# Altium PCB Fuel_Dispenser_Controller_V1.0.0.PcbDoc (part 2 of 4)
Units mm, origin at the board's own origin, x right, y up, seen from the top; angles counter-clockwise.
Board outline 100 x 60 mm, 6 copper layers (L1_SIG, L2_GND, L3_SIG, L4_PWR, L5_GND, L6_SIG), stack 1.538 mm thick; 235 components, 145 nets, 779 pads, 828 vias.
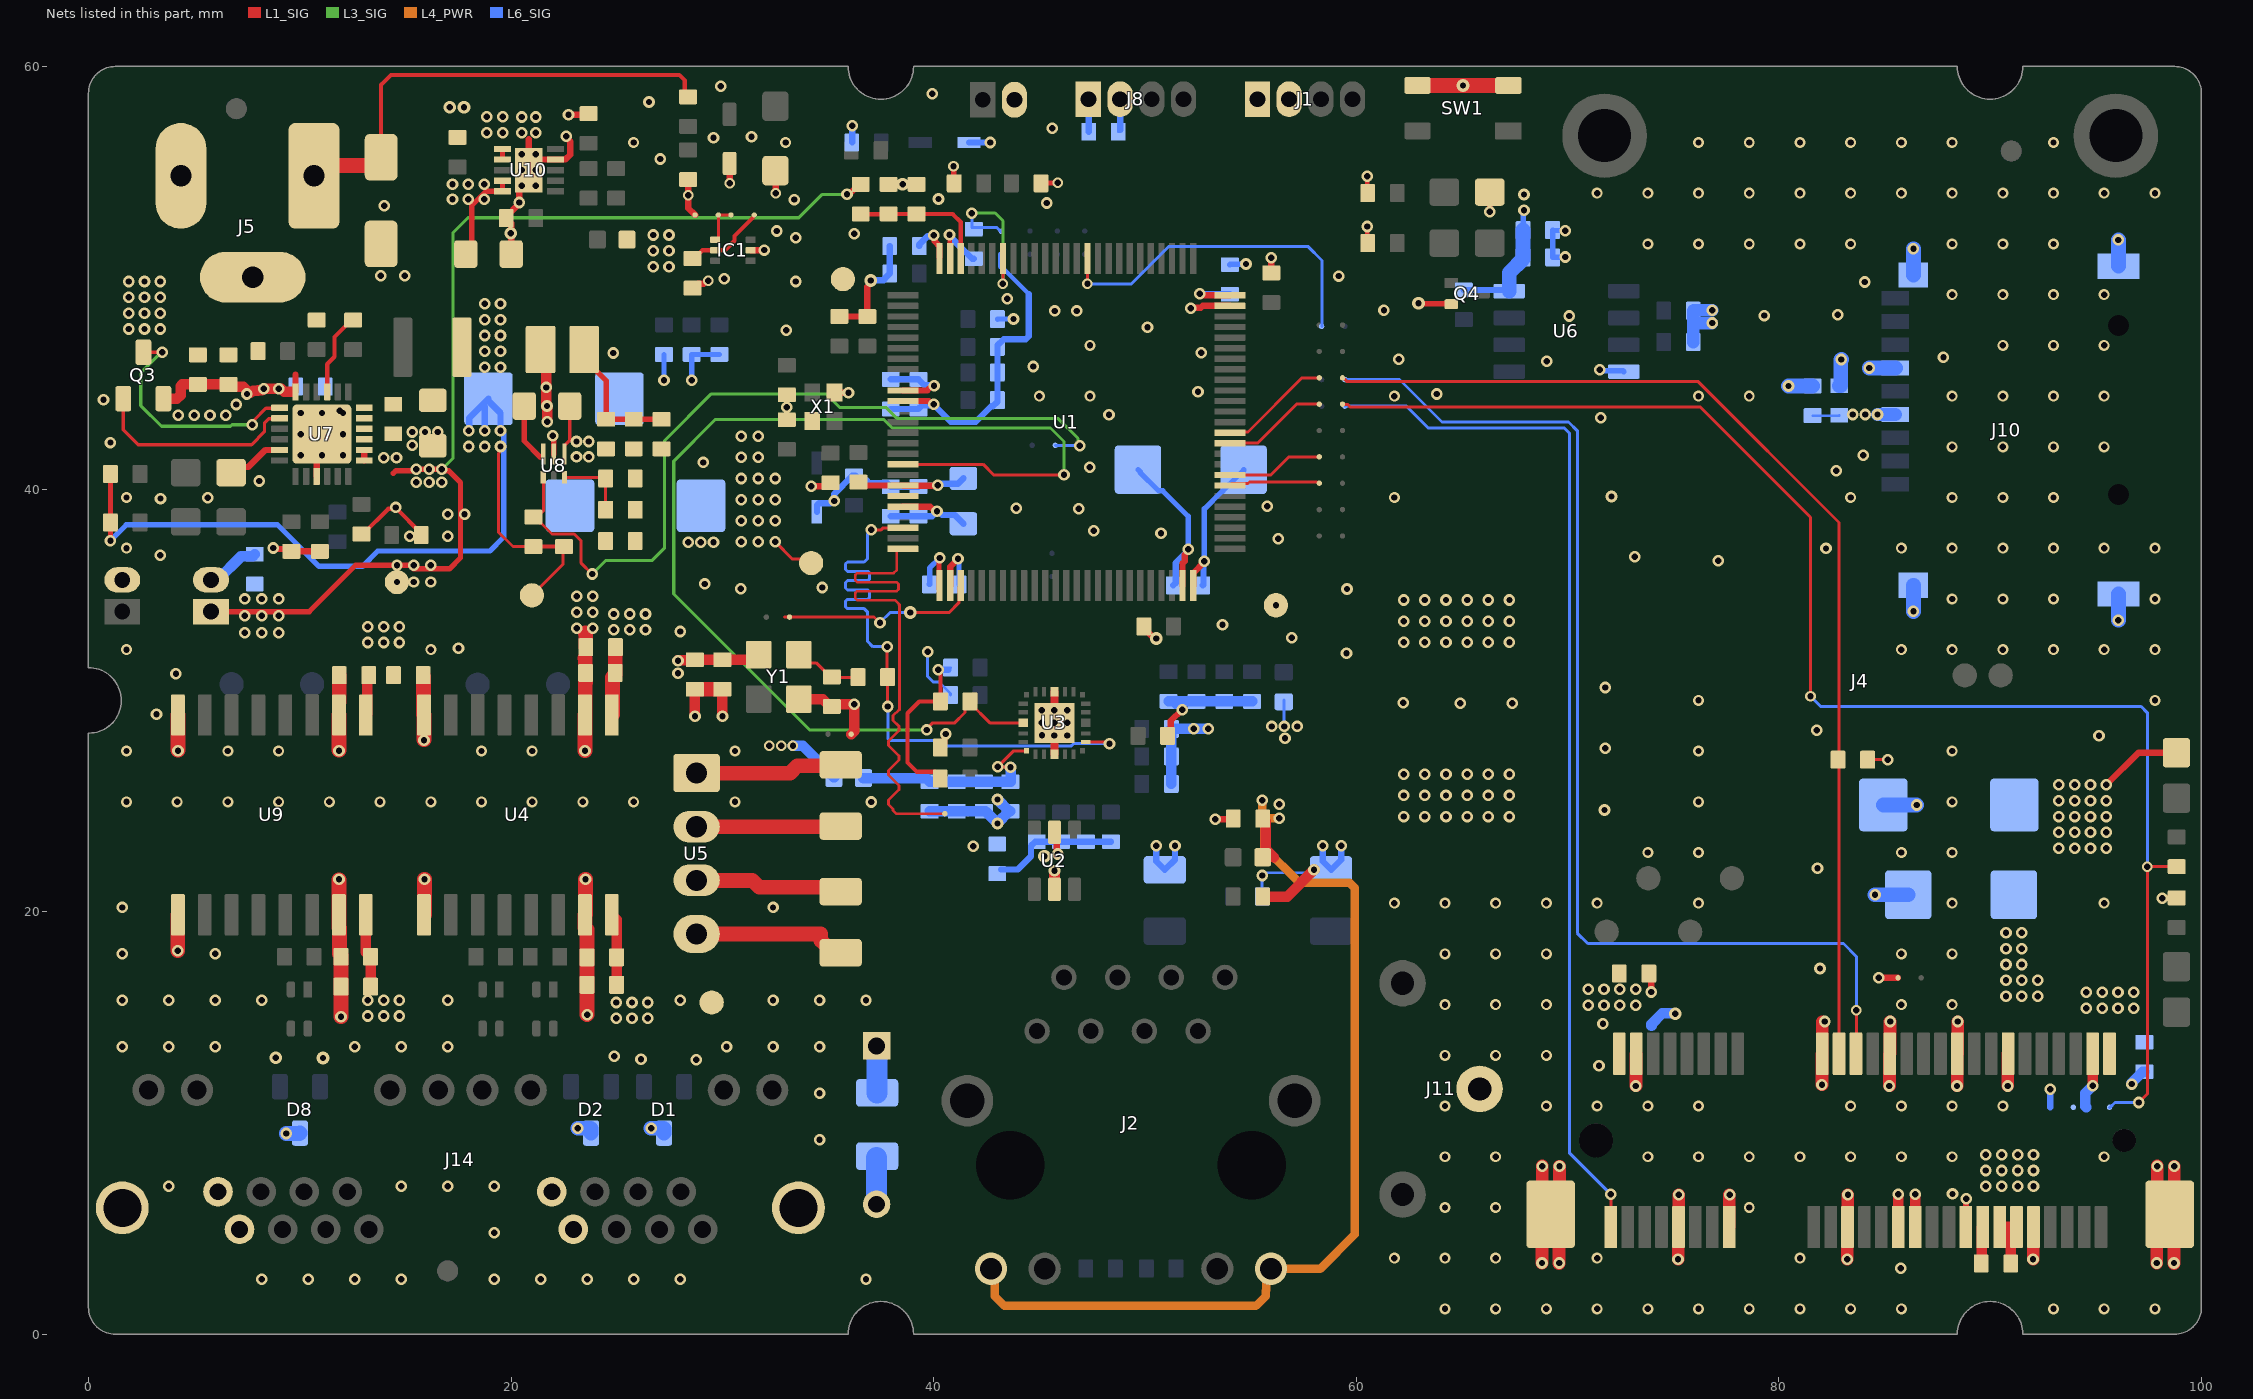
[diagram p6: the nets of this part, all layers, seen from the top]

## Part data
C1 C2: "CAP: CER 5.6PF 50V C0G 0603", LCSC Part #=C318670, ComponentLink1Description=DS, ComponentLink1URL=https://www.lcsc.com/datasheet/C1663.pdf, Unit Price=0.0037
C3 C6 C7 C8 C9 C10 C13 C14 C15 C16 C18 C23 C25 C27 C32 C40 C52 C53 C55 C57 C58 C59 C61 C62 C63 C65 C79: "CAP: CER 100NF 100V X7R 0603", LCSC Part #=C15725, ComponentLink1Description=DS, ComponentLink1URL=https://www.lcsc.com/datasheet/C15725.pdf, POC Price=0.006, Unit Price=0.0036
C4 C20 C51 C60 C76: "CAP: CER 1UF 25V X7R 0603", LCSC Part #=C29936, ComponentLink1Description=DS, ComponentLink1URL=https://www.lcsc.com/datasheet/C29936.pdf, Unit Price=0.0027
C5 C46: "CAP: CER 4.7UF 25V X5R 0603", LCSC Part #=C69335, ComponentLink1Description=DS, ComponentLink1URL=https://www.lcsc.com/datasheet/C69335.pdf, POC Price=0.0167, Unit Price=0.009
C11: "CAP: CER 47UF 10V X5R 0805", LCSC Part #=C5596752, ComponentLink1Description=DS, ComponentLink1URL=https://www.lcsc.com/datasheet/C5596752.pdf, POC Price=0.1234, Unit Price=0.0651
C12 C31: "CAP: TANT 100uF ±10% 10V CASE-C-6032", LCSC Part #=C8649, ComponentLink1Description=DS, ComponentLink1URL=http://datasheets.avx.com/TAJ.pdf, POC Price=0.2633, Unit Price=0.1376
C17 C66 C74: "CAP: CER 10NF 100V X7R 0603", LCSC Part #=C307347, Unit Price=0.0046
C19: "CAP: CER 470PF 50V X7R 0603", LCSC Part #=C22396, ComponentLink1Description=DS, ComponentLink1URL=https://www.lcsc.com/datasheet/C22396.pdf, POC Price=0.0047, Unit Price=0.002
C21 C22 C24 C26 C28 C39 C44 C45 C48 C49 C50 C54 C56 C64 C70 C72: "CAP: CER 10UF 25V X5R 0603", LCSC Part #=C96446, ComponentLink1Description=DS, ComponentLink1URL=https://www.lcsc.com/datasheet/C96446.pdf, Unit Price=0.01
C29: "CAP: CER 4.7UF 50V X7R 1206", LCSC Part #=C51205, Unit Price=0.0177
C30: "CAP: CER 10UF 35V X5R 1206", LCSC Part #=C13585, Unit Price=0.0177
C33: "CAP: CER 33PF 50V C0G 0603", LCSC Part #=C1663, ComponentLink1Description=DS, ComponentLink1URL=https://www.lcsc.com/datasheet/C1663.pdf, Unit Price=0.0031
C34: "CAP: CER 10PF 50V C0G 0603", LCSC Part #=C1634, ComponentLink1Description=DS, ComponentLink1URL=https://www.lcsc.com/datasheet/C1634.pdf, Unit Price=0.0028
C35 C41 C42: "CAP: TANT 220uF ±10% 10V CASE-D-7343", LCSC Part #=C8024, POC Price=0.3941, Unit Price=0.2118
C36 C75: "CAP: CER 1UF 50V X5R 0603", LCSC Part #=C15849, Unit Price=0.0026
C37: "CAP: CER 100NF 50V X7R 0603", LCSC Part #=C1591, Unit Price=0.0013
C38: "CAP: CER 47NF 50V X7R 0603", LCSC Part #=C1622, ComponentLink1Description=DS, ComponentLink1URL=https://www.lcsc.com/datasheet/C1588.pdf, POC Price=0.0051, Unit Price=0.0031
C43 C71: "CAP: CER 22UF 25V X5R 0805", LCSC Part #=C45783, Unit Price=0.0136
C47: "CAP: CER 10UF 25V X5R 0805", LCSC Part #=C15850, Unit Price=0.0059
C67: "CAP: CER 15PF 50V C0G 0603", LCSC Part #=C1644, ComponentLink1Description=DS, ComponentLink1URL=https://www.lcsc.com/datasheet/C1644.pdf, POC Price=0.0051, Unit Price=0.0032
C68 C69: "CAP: CER 2.2UF 16V X5R 0603", LCSC Part #=C23630, ComponentLink1Description=DS, ComponentLink1URL=https://www.lcsc.com/datasheet/C23630.pdf, POC Price=0.0062, Unit Price=0.0033
C73: "CAP: CER 120PF 50V C0G 0603", LCSC Part #=C444883, POC Price=0.011, Unit Price=0.0048
C77 C78: "CAP: SAFETY CER 1NF 500V X7R 1206", LCSC Part #=C35216, ComponentLink1Description=DS, ComponentLink1URL=https://www.lcsc.com/datasheet/C35216.pdf, POC Price=0.04, Unit Price=0.0223
CY1: "CAP SAFETY: 2.2nF ±20% 250V TH P7.5mm", LCSC Part #=C240878, ComponentLink1Description=DS, ComponentLink1URL=https://www.lcsc.com/datasheet/C240878.pdf, POC Price=0.0416, Unit Price=0.0201
D1 D2 D8: "DIODE TVS: 7V WM 11VC Voltage - Breakdown (Min) 6V / SOT-23", LCSC Part #=C7436899, ComponentLink1Description=DS, ComponentLink1URL=https://www.lcsc.com/datasheet/C7436899.pdf, Unit Price=0.0183
D3 D6 D11: "LED: RED 20mA 54mcd Colorless Transparent Lens -55℃~+85℃ 631nm Red 130° 75mW 2V 0805 LED", LCSC Part #=C94868, POC Price=0.0229, Unit Price=0.0107
D4 D5 D9: "LED: GREEN 20mA 35mcd Water Clear -55℃~+85℃ 571nm Yellow Green 130° 75mW 2V 0805 LED Indication - Discrete ROHS", LCSC Part #=C98221, ComponentLink1Description=DS, ComponentLink1URL=https://www.lcsc.com/datasheet/C98221.pdf, POC Price=0.0216, Unit Price=0.0095
D7: "DIODE ESD: 16.4A@10/1000us 400W@10/1000us 24.4V 18.5V Bidirectional 15V DO-214AC(SMA) ESD and Surge Protection (TVS/ESD) ROHS", LCSC Part #=C110044, ComponentLink1Description=DS, ComponentLink1URL=https://www.lcsc.com/datasheet/C110044.pdf, POC Price=0.0378, Unit Price=0.0178
D10: "DIODE TVS: 3.3V 19A 15V 4V BidirectionalESD and Surge Protection (TVS/ESD) ROHS  SOD-323", LCSC Part #=C78439, ComponentLink1Description=DS, ComponentLink1URL=https://www.lcsc.com/datasheet/C78439.pdf, POC Price=0.0344, Unit Price=0.0172
D12 D13: "DIODE ESD: 5A 75W@8/20us 15V 6V Bidirectional 5V SOD-523 ESD and Surge Protection (TVS/ESD)", LCSC Part #=C314264, ComponentLink1Description=DS, ComponentLink1URL=https://www.lcsc.com/datasheet/C314264.pdf, POC Price=0.0232, Unit Price=0.0106
FB1 FB2 FB3 FB4: "Ferrite Beads: 150mΩ 600Ω@100MHz 1.3A muRata", LCSC Part #=C85833, ComponentLink1Description=DS, ComponentLink1URL=https://www.lcsc.com/datasheet/C85833.pdf, POC Price=0.0113, Unit Price=0.0059
IC1: "SEN: TEMP TI TMP102AIDRLR Temperature sensor  / SOT-563", LCSC Part #=C99269, ComponentLink1Description=DS, ComponentLink1URL=https://www.lcsc.com/datasheet/C99269.pdf, POC Price=0.2045, Unit Price=0.1007
J1 J8: library part X1502WV-04K-N0SN, "JST: Vertical, P1.5mm TH, 4P, Wire To Board Connector, 1A (Housing: X1502H-04-N0 - C697055)", LCSC Part #=C561527, ComponentLink1Description=DS, ComponentLink1URL=https://www.lcsc.com/datasheet/C561527.pdf, POC Price=0.0307, Unit Price=0.0141
J2: "RJ45: ETH RJ45 Jack 1 With LED Through Hole Ethernet Connectors / Modular Connectors (RJ45 RJ11) ROHS", LCSC Part #=C12074, ComponentLink1Description=DS, ComponentLink1URL=https://datasheet.lcsc.com/szlcsc/Zhongshan-HanRun-Elec-HR911105A_C12074.pdf, POC Price=1.4848, Unit Price=0.8599
J4: "MODULE Connector: Mini PCIe 52-pin Connector SMD,P=0.8mm, Surface Mount,Right Angle PCI / PCIe Connector ROHS", LCSC Part #=C428486, ComponentLink1Description=DS, ComponentLink1URL=https://www.molex.com/content/dam/molex/molex-dot-com/products/automated/en-us/salesdrawingpdf/679/67910/679105700_sd.pdf?inline, POC Price=0.7298, Unit Price=0.3649
J5: "CONN: Right Angle DC Power Jack -25℃~+85℃ 2mm 6.4mm 1A 12V Through Hole DC Power Connectors ROHS", LCSC Part #=C16214
J6 J9 J12: library part X1502WV-02K-N0SN, "JST: Vertical, P1.5mm TH, 2P, Wire To Board Connector, 1A (Housing: X1502H-02-N0 - C697053)", LCSC Part #=C561525, ComponentLink1Description=DS, ComponentLink1URL=https://www.lcsc.com/datasheet/C561525.pdf, POC Price=0.0156, Unit Price=0.0071
J10: "Micro-sd card: 1.85mm Connector and Ejector MicroSD Card (TF Card) Push-Push SMD SD Card / Memory Card Connector ROHS", LCSC Part #=C91145, ComponentLink1Description=DS, ComponentLink1URL=https://www.lcsc.com/datasheet/C91145.pdf, POC Price=0.1724, Unit Price=0.0922
J11: "Battery Con: CR2032, RTC, Connector, Vertical", LCSC Part #=C964752, ComponentLink1Description=DS, ComponentLink1URL=https://www.lcsc.com/datasheet/C964752.pdf, POC Price=0.1585, Unit Price=0.0766
J14: library part KH-56-8P8C-1X2-D_1, "RJ45: RJ45 Jack 2 Shielded Right Angle With LED 0℃~+70℃ Through Hole,Right Angle Ethernet Connectors / Modular Connectors (RJ45 RJ11) ROHS", LCSC Part #=C2828088, ComponentLink1Description=DS, ComponentLink1URL=https://www.lcsc.com/datasheet/C2828088.pdf, Unit Price=0.3505
L1 L2 L5: "Filter CM: 90Ω@100MHz 410mΩ 2 0805 Common Mode Filters ROHS", LCSC Part #=C161093, ComponentLink1Description=DS, ComponentLink1URL=https://www.lcsc.com/datasheet/C161093.pdf, POC Price=0.1002, Unit Price=0.0475
L3: "INDUCTOR: 1uH 3.1A 45mΩ 1210 FIXED IND", LCSC Part #=C237284, ComponentLink1Description=DS, ComponentLink1URL=https://www.lcsc.com/datasheet/C237284.pdf, POC Price=0.1051, Unit Price=0.0566
L4: "INDUCTOR: FIXED IND 0.47uH 6.5A 13mΩ SMD,2x2.5mm", LCSC Part #=C5832368, ComponentLink1Description=DS, ComponentLink1URL=https://www.lcsc.com/datasheet/C167222.pdf, POC Price=0.0806, Unit Price=0.0393
Q3: "MOSFET: N-CH 30V 4A 1.25W 35mΩ@10V 3V@250uA 1 N-Channel SOT-23 MOSFETs ROHS", LCSC Part #=C347489, Unit Price=0.0155
Q4: "Transistor digital: 80@10mA,5V 150mW 100mA 50V SOT-416FL Digital Transistors ROHS", LCSC Part #=C96459, Unit Price=0.0094
R1 R2 R3 R4 R10 R12 R13 R14 R17 R20 R21 R22 R23 R26 R29 R30 R31 R34 R41 R42 R43 R45 R46 R50 R57: "RES: 10K OHM 1% 100mW 0603 75V", LCSC Part #=C25804, ComponentLink1Description=DS, ComponentLink1URL=https://www.lcsc.com/datasheet/C25804.pdf, Unit Price=0.0005
R5: "RES: 2.2K OHM 1% 100mW 0603 75V", LCSC Part #=C4190, ComponentLink1Description=DS, ComponentLink1URL=https://www.lcsc.com/datasheet/C4184.pdf, POC Price=0.0011, Unit Price=0.0005
R6 R7 R8 R9: "RES: 49.9 OHM 1% 100mW 0603", LCSC Part #=C23185, ComponentLink1Description=DS, ComponentLink1URL=https://www.lcsc.com/datasheet/C23185.pdf, Unit Price=0.0006
R11: "RES: 33 OHM 1% 100mW 0603 75V", LCSC Part #=C23140, ComponentLink1Description=DS, ComponentLink1URL=https://www.lcsc.com/datasheet/C4216.pdf, POC Price=0.0011, Unit Price=0.0006
R15 R16 R27 R28 R32 R33 R48 R54: "RES: 1K OHM 1% 100mW 0603 75V", LCSC Part #=C21190, ComponentLink1Description=DS, ComponentLink1URL=https://www.lcsc.com/datasheet/C21190.pdf, Unit Price=0.0005
R18: "RES: 6.49K OHM 1% 100mW 0603 75V", LCSC Part #=C23088, ComponentLink1Description=DS, ComponentLink1URL=https://www.lcsc.com/datasheet/C23088.pdf, POC Price=0.0011, Unit Price=0.0006
R19: "RES: 1M OHM 1% 1/4W / 1206", LCSC Part #=C17927, ComponentLink1Description=DS, ComponentLink1URL=https://www.lcsc.com/datasheet/C17927.pdf, POC Price=0.0028, Unit Price=0.0014
R24 R25 R44: "RES: 120R OHM 1% 100mW 0603 75V", LCSC Part #=C22787, ComponentLink1Description=DS, ComponentLink1URL=https://www.lcsc.com/datasheet/C22787.pdf, Unit Price=0.0006
R35: "RES: 47K OHM 1% 100mW 0603 75V", LCSC Part #=C4275, ComponentLink1Description=DS, ComponentLink1URL=https://www.lcsc.com/datasheet/C25819.pdf, Unit Price=0.0006
R36: "RES: 160R OHM 1% 100mW 0603 75V", LCSC Part #=C22814, ComponentLink1Description=DS, ComponentLink1URL=https://www.lcsc.com/datasheet/C22787.pdf, POC Price=0.0011, Unit Price=0.0006
R37: "RES: 680R OHM 1% 100mW 0603 75V", LCSC Part #=C23228, ComponentLink1Description=DS, ComponentLink1URL=https://www.lcsc.com/datasheet/C22787.pdf, POC Price=0.0011, Unit Price=0.0006
R38 R40 R53: "RES: 100K OHM 1% 100mW 0603 75V", LCSC Part #=C25803, ComponentLink1Description=DS, ComponentLink1URL=https://www.lcsc.com/datasheet/C25803.pdf, Unit Price=0.0006
R39: "RES: 453K OHM 1% 100mW 0603 75V", LCSC Part #=C25818, ComponentLink1Description=DS, ComponentLink1URL=https://www.lcsc.com/datasheet/C25818.pdf, POC Price=0.001, Unit Price=0.0005
R47: "RES: 33K OHM 1% 100mW 0603 75V", LCSC Part #=C4216, ComponentLink1Description=DS, ComponentLink1URL=https://www.lcsc.com/datasheet/C4216.pdf, Unit Price=0.0006
R49: "RES: 3.3K OHM 1% 100mW 0603 75V", LCSC Part #=C22978, ComponentLink1Description=DS, ComponentLink1URL=https://www.lcsc.com/datasheet/C4216.pdf, POC Price=0.001, Unit Price=0.0006
R51: "RES: 20K OHM 1% 100mW 0603 75V", LCSC Part #=C4184, ComponentLink1Description=DS, ComponentLink1URL=https://www.lcsc.com/datasheet/C4184.pdf, Unit Price=0.0006
R52: "RES: 330 OHM 1% 100mW 0603 75V", LCSC Part #=C23138, ComponentLink1Description=DS, ComponentLink1URL=https://www.lcsc.com/datasheet/C23138.pdf, POC Price=0.0011, Unit Price=0.0006
R55: "RES: 3.57K OHM 1% 100mW 0603 75V", LCSC Part #=C22998, ComponentLink1Description=DS, ComponentLink1URL=https://www.lcsc.com/datasheet/C22998.pdf, POC Price=0.001, Unit Price=0.0005
R56: "RES: 1.13K OHM 1% 100mW 0603 75V", LCSC Part #=C22833, ComponentLink1Description=DS, ComponentLink1URL=https://www.lcsc.com/datasheet/C22833.pdf, POC Price=0.0011, Unit Price=0.0006
SB1 SB2 SB3 SB4 SB5 SB6 SB7 SB8 SB9 SB10 SB11 SB12 SB13 SB14 SB15 SB16 SB17 SB18 SB19 SB21 SB22 SB23 SB25 SB26 SB27 SB28: "Solder Bridge: ON SB 0603", LCSC Part #=C21189, ComponentLink1Description=DS, ComponentLink1URL=https://www.lcsc.com/datasheet/C21189.pdf, Unit Price=0.0006
SW1: library part TS-1145A-B-A, "SW: 3.2mm 2.5mm Oval push button Standing paste SPST SMD Tactile Switches ROHS", LCSC Part #=C318904, ComponentLink1Description=DS, ComponentLink1URL=https://www.lcsc.com/datasheet/C318904.pdf, POC Price=0.0495, Unit Price=0.0242
TP1 TP2 TP3 TP4 TP5 TP6 TP7 TP8 TP9 TP10 TP11 TP12 TP13 TP14 TP15 TP16: library part "Test Pad", "TESTPAD: Test Pad"
U1: "MCU: 32-bit Arm Cortex-M7 480MHz MCUs, 2MB Flash, 1MB RAM, 46 com. and analog interfaces, crypto, LQFP-100(14x14)", LCSC Part #=C730206, ComponentLink1Description=DS, ComponentLink1URL=https://www.st.com/resource/en/datasheet/stm32h753vi.pdf, POC Price=11.0179, Unit Price=7.6492
U2: "ESD: 3.5A@8/20us 13V 60W@8/20us 7.8V 5V SOT-23-6 ESD and Surge Protection (TVS/ESD) ROHS", LCSC Part #=C19626383, ComponentLink1Description=DS, ComponentLink1URL=https://www.lcsc.com/datasheet/C19626383.pdf, POC Price=0.0286, Unit Price=0.0133
U3: "PHY: Ethernet Transceiver RMII HVQFN-24-EP(3x3) Ethernet Transceivers ROHS", LCSC Part #=C783599, ComponentLink1Description=DS, ComponentLink1URL=https://www.ti.com/lit/ds/symlink/dp83825i.pdf?ts=1756962275334&ref_url=https%253A%252F%252Fwww.ti.com%252Fproduct%252FDP83825I%252Fpart-details%252FDP83825IRMQR, POC Price=0.2675, Unit Price=0.1317
U4 U9: "MODBUS: Galvanic Isolated 3-5V Full and Half-Duplex RS-485 RS-422 Transceivers", LCSC Part #=C2671566, ComponentLink1Description=DS, ComponentLink1URL=https://www.ti.com/lit/ds/symlink/iso1410.pdf?ts=1756305081744&ref_url=https%253A%252F%252Fwww.ti.com%252Fproduct%252FISO1410%252Fpart-details%252FISO1410DWR, POC Price=3.5376, Unit Price=2.1999
U5: "SMPS ISO: DC-DC modular power supply, 1W, fixed voltage input, isolated non-regulated single-channel output SIP,11.7x6mm", LCSC Part #=C7465185, ComponentLink1Description=DS, ComponentLink1URL=https://www.lcsc.com/datasheet/C7465185.pdf, POC Price=0.8117, Unit Price=0.4797
U6: "Flash: 128Mbit SPI 133MHz SOIC-8-208mil NOR FLASH ROHS", LCSC Part #=C97521, ComponentLink1Description=DS, ComponentLink1URL=https://www.lcsc.com/datasheet/C97521.pdf, POC Price=1.2147, Unit Price=0.8016
U7: "BMS: 4V~13.5V Lithium Battery 1 3A QFN-24-EP(4x4) Battery Management ROHS", LCSC Part #=C2866447, ComponentLink1Description=DS, ComponentLink1URL=https://www.lcsc.com/datasheet/C2866447.pdf, POC Price=0.6499, Unit Price=0.3173
U8: "SMPS BUCK: 2.4V to 5.5V input, 4A step-down converter", LCSC Part #=C2071448, ComponentLink1Description=DS, ComponentLink1URL=https://www.ti.com/lit/gpn/tps62827, POC Price=0.5713, Unit Price=0.5436
U10: "LDO: 39dB@(500kHz) 1A Adjustable 800mV~5.2V Positive 6.5V SON-10-EP(2.5x2.5) Voltage Regulators - Linear, Low Drop Out (LDO) Regulators ROHS", LCSC Part #=C2878140, ComponentLink1Description=DS, ComponentLink1URL=http://www.ti.com/lit/ds/symlink/tps7a91.pdf, POC Price=0.5248, Unit Price=0.2563
X1: "CRYSTAL: SMD2016-4P Crystals ROHS 25MHz", LCSC Part #=C843258, ComponentLink1Description=DS, ComponentLink1URL=https://www.lcsc.com/datasheet/C843258.pdf, POC Price=0.3434, Unit Price=0.1723
Y1: "Crystal: 1.8V~3.3V ±10ppm ±20ppm CMOS 50MHz SMD3225-4P Crystal Oscillators ROHS", LCSC Part #=C5203552, ComponentLink2Description=DS, ComponentLink2URL=https://www.lcsc.com/datasheet/C5203552.pdf, POC Price=0.4204, Unit Price=0.2026
ZD1: "DIODE: 3.3V ZENER 3.14V~3.47V 500mW 3.3V SOD-123 Zener Diodes ROHS", LCSC Part #=C173413, ComponentLink1Description=DS, ComponentLink1URL=https://www.lcsc.com/datasheet/C173413.pdf, POC Price=0.0129, Unit Price=0.006

## Via types
v1: diameter 0.55, hole 0.3, L1_SIG to L6_SIG, tented both sides, 535 vias
v2: diameter 0.52, hole 0.3, L1_SIG to L6_SIG, tented both sides, 164 vias
v3: diameter 0.54, hole 0.3, L1_SIG to L6_SIG, tented both sides, 57 vias
v4: diameter 0.5, hole 0.3, L1_SIG to L6_SIG, tented both sides, 53 vias
v5: diameter 0.6, hole 0.3, L1_SIG to L6_SIG, tented both sides, 17 vias
v6: diameter 0.55, hole 0.3, L1_SIG to L6_SIG, tented bottom, 2 vias

## Nets (pads, with @x,y where several pads share a name; then routed paths per layer and width w, separated by ;. In a path a pad name is that pad's centre, name@x,y a point inside that pad or via, vN(x,y) a via of type N, cw(c..) or ccw(c..) an arc to the next point about the centre after c; other vN are vias at no path point)
3V3_EC200: C31.1 C32.2 C33.2 C34.2 C35.1 C48.2 C49.2 C50.2 C73.2 D4.1 J4.2 J4.39 J4.41 J4.52 L4.2 R12.2 R27.2 R39.2 TP6.1 | length 16.6
  L1_SIG w0.142: v1(32.5,37.5) 33.307,36.693 34.007,36.693 TP6.1@34.2,36.5 ; R12.2@84.2,27.19 v1(85.15,27.19)
  L1_SIG w0.254: L4.2@23.455,46.602 23.455,46.182 24.5,45.137 C48.2@24.5,43.302 C49.2@25.807,43.302 25.809,43.301 27.119,43.301 C50.2@27.12,43.3 ; v1(98.15,20.64) 98.155,20.645 98.825,20.645 R27.2@98.83,20.65
  L1_SIG w0.3: v1(95.5,26) 97.02,27.52 D4.1@98.82,27.52
  L1_SIG w0.5: J4.39@90.45,5.075 J4.41@90.975,5.075 ; C32.2@90.975,3.35 J4.41@90.975,5.075 ; J4.41@91.25,5.075 J4.41@90.975,5.075
  other v1: 89.8,7 90.55,7 91.3,7 92.05,7 89.8,7.75 90.55,7.75 91.3,7.75 92.05,7.75 89.8,8.5 90.55,8.5 91.3,8.5 92.05,8.5 71.675,14.7 94.55,15.43 95.3,15.43 96.05,15.43 96.8,15.43 70.975,15.575 71.725,15.575 72.475,15.575 73.225,15.575 90.75,16 91.5,16 92.25,16 94.55,16.18 95.3,16.18 96.05,16.18 96.8,16.18 70.975,16.325 71.725,16.325 72.475,16.325 73.225,16.325 90.75,16.75 91.5,16.75 92.25,16.75 90.75,17.5 91.5,17.5 90.75,18.25 91.5,18.25 90.75,19 91.5,19 93.249,23 94,23 94.75,23 95.5,23 93.249,23.75 94,23.75 94.75,23.75 95.5,23.75 62.25,24.5 63.25,24.5 64.25,24.5 65.25,24.5 66.25,24.5 67.25,24.5 93.249,24.5 94,24.5 94.75,24.5 95.5,24.5 93.249,25.25 94,25.25 94.75,25.25 95.5,25.25 62.25,25.5 63.25,25.5 64.25,25.5 65.25,25.5 66.25,25.5 67.25,25.5 93.249,26 94,26 94.75,26 62.25,26.5 63.25,26.5 64.25,26.5 65.25,26.5 66.25,26.5 67.25,26.5 62.25,32.75 63.25,32.75 64.25,32.75 65.25,32.75 66.25,32.75 67.25,32.75 62.25,33.75 63.25,33.75 64.25,33.75 65.25,33.75 66.25,33.75 67.25,33.75 62.25,34.75 63.25,34.75 64.25,34.75 65.25,34.75 66.25,34.75 67.25,34.75 30.9,37.5 31.7,37.5 30.9,38.5 31.7,38.5 32.5,38.5 30.9,39.5 31.7,39.5 32.5,39.5 30.9,40.5 31.7,40.5 32.5,40.5 30.9,41.5 31.7,41.5 30.9,42.5 31.7,42.5
3V3_FB_5: C73.1 R39.1 R40.2 U8.3 | length 3.4
  L1_SIG w0.142: U8.3@22.525,40.552 24.425,40.552 R40.2@24.475,40.502 ; C73.1@24.474,39.039 R40.2@24.475,40.502
3V3_MCU: C3.2 C4.2 C5.2 C6.2 C7.2 C8.2 C9.2 C10.2 C11.2 C12.1 C13.2 C15.2 C23.2 C24.2 C25.2 C26.2 C29.2 C36.2 C37.2 C53.2 C54.2 C62.2 C63.2 C64.2 C79.2 FB1.2 FB2.2 FB3.2 FB4.2 IC1.5 J1.1 J2.9 J2.12 J8.2 J9.2 J10.4 R2.2 R3.2 R4.2 R5.2 R6.2 R7.2 R8.2 R9.2 R10.2 R17.2 R21.2 R22.2 R23.2 R29.2 R30.2 R31.2 R42.2 R43.2 R45.2 R46.2 R48.2 R54.2 R57.2 SB23.2 SB25.1 TP5.1 U1.11 U1.20 U1.21 U1.27 U1.50 U1.75 U1.100 U2.5 U4.1 U5.2 U6.8 U9.1 Y1.2 | length 146.9
  L1_SIG w0.142: R54.2@60.52,54.033 R54.2@60.542,54.01
  L1_SIG w0.2: C63.2@28.59,50.91 28.665,50.91 29.055,51.3 IC1.5@29.662,51.3 30.124,51.3 30.575,51.75 30.575,51.975 31.448,52.848 ; R10.2@40.315,26.3 40.315,26.375 40.065,26.625 39.195,26.625 38.76,27.06 38.76,29.39 39.32,29.95 R17.2@40.32,29.95 v1@40.32,31.196 ; R48.2@60.52,51.663 v1(60.52,52.427) ; R54.2@60.52,54.033 v1(60.52,54.796)
  L1_SIG w0.254: R45.2@40.955,54.485 v4@40.955,55.255 ; R46.2@45.08,54.47 45.095,54.485 45.865,54.485 v4(45.88,54.5)
  L1_SIG w0.3: v1(34.21,40.14) 34.959,40.14 R57.2@35.122,40.303 ; U1.21@38.542,39.168 39.841,39.168 40.059,38.95 v1(40.16,38.95) ; U1.11@38.542,44.168 39.761,44.168 39.909,44.02 v1(40.01,44.02) ; v1(40,52.01) 40.048,51.962 40.048,51.726 40.28,51.494 U1.100@40.28,50.956 ; U1.27@40.78,35.43 40.78,36.33 v1(41.15,36.7) ; U2.5@45.719,23.76 45.822,23.657 45.822,22.778 v1(45.87,22.73) ; U1.50@52.28,35.43 52.28,36.017 52.81,36.548 v1(52.81,36.58) ; v1(52.59,49.25) 52.658,49.25 52.74,49.168 U1.75@54.018,49.168
  L1_SIG w0.5: U9.1@13.125,29.3 13.197,29.372 13.197,31.117 C53.2@13.27,31.19 ; v1(27.9,31.88) 27.91,31.89 28.525,31.89 28.56,31.925 C24.2@28.7,31.925 31.485,31.925 Y1.2@31.72,32.16 ; C15.2@55.575,24.4 55.725,24.25 55.725,22.95 56.1,22.575